# Altium PCB Test.PcbDoc (part 5 of 7)
Units mm, origin at the board's own origin, x right, y up, seen from the top; angles counter-clockwise.
Board outline 127 x 60.96 mm, 8 copper layers (TOP, LY2 - GND, LY3 - SIG, LY4 - GND, LY5 - SIG, LY6 - SIG, LY7 - GND, BOTTOM), stack 1.458 mm thick; 279 components, 237 nets, 1232 pads, 1515 vias.
Unrouted connection lines stored in the file: 100.
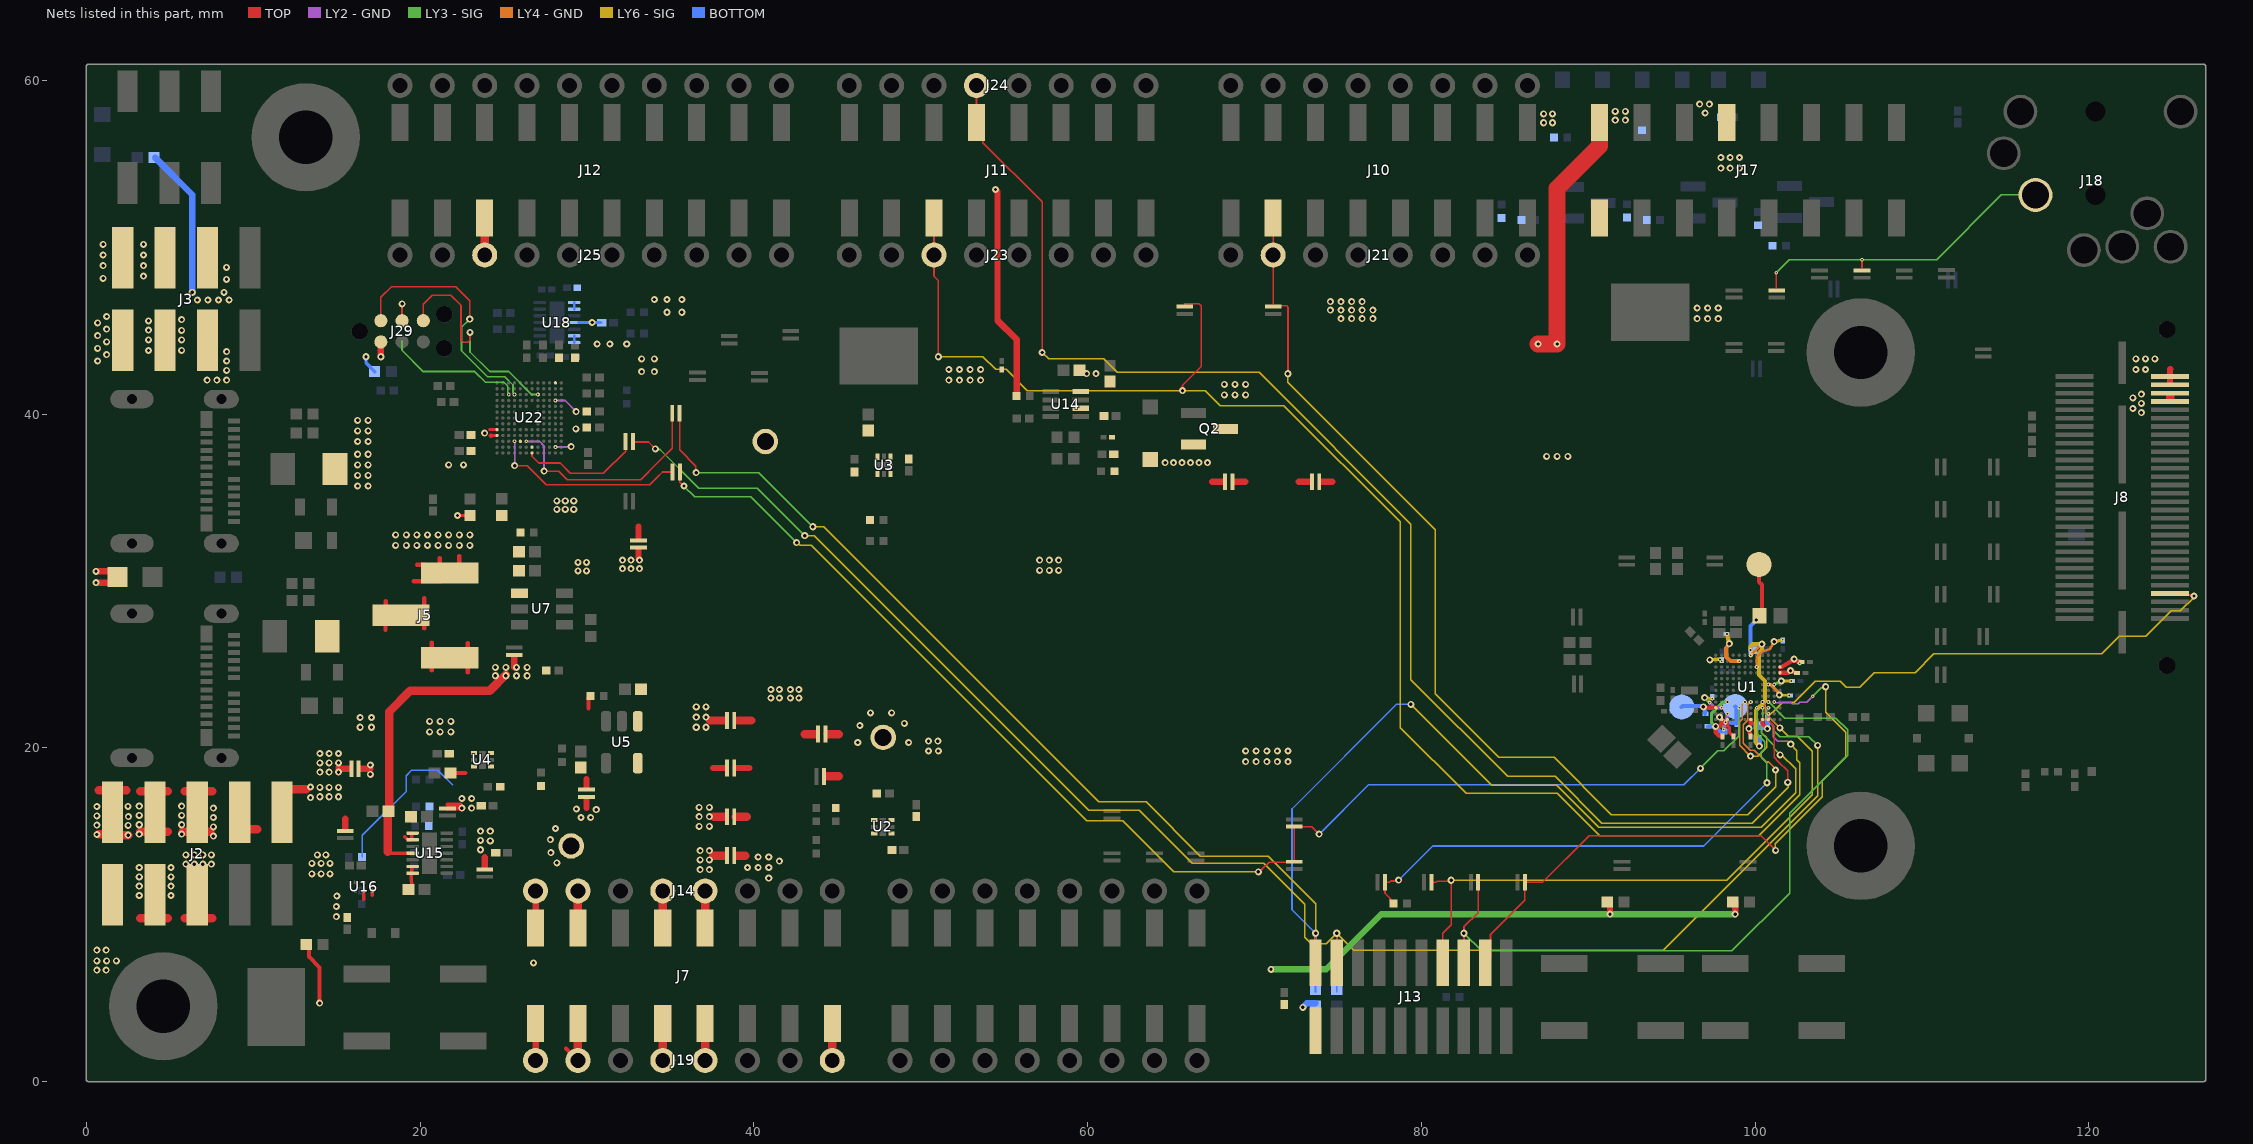
[diagram p11: the nets of this part, all layers, seen from the top]

## Via types
v1: diameter 0.422, hole 0.203, TOP to BOTTOM, tented both sides, 1327 vias
v2: diameter 0.17/0.203/0.229 (per signal layer), hole 0.102, TOP to LY3 - SIG, tented both sides, 58 vias
v3: diameter 0.17/0.229 (per signal layer), hole 0.102, TOP to LY2 - GND, tented both sides, 56 vias
v4: diameter 0.17/0.229/0.229/0.254 (per signal layer), hole 0.102, TOP to LY4 - GND, tented both sides, 35 vias
v5: diameter 0.422/0.422/0.422/0.422 (per signal layer), hole 0.203, LY3 - SIG to LY6 - SIG, tented both sides, 18 vias
v6: diameter 0.229/0.17 (per signal layer), hole 0.102, LY7 - GND to BOTTOM, tented both sides, 11 vias
v7: diameter 0.229/0.203/0.17 (per signal layer), hole 0.102, LY6 - SIG to BOTTOM, tented both sides, 10 vias

## Nets (pads, with @x,y where several pads share a name; then routed paths per layer and width w, separated by ;. In a path a pad name is that pad's centre, name@x,y a point inside that pad or via, vN(x,y) a via of type N, cw(c..) or ccw(c..) an arc to the next point about the centre after c; other vN are vias at no path point) (continued)
SWCLK_OB: J29.4 U22.K3 | length 9.8
  TOP w0.102: J29.4@18.923,45.593 v1(18.923,46.609)
  LY3 - SIG w0.102: 18.923,44.379 18.923,43.815 20.193,42.545 23.282,42.545 23.925,41.903 25.026,41.903 25.248,41.681 25.248,41.259 25.312,41.195 v2(25.312,41.168) ; 18.923,46.182 v1(18.923,46.609)
SWDCK_TX01_GP20: J13.4 R39.2 SB78.2 U1.K3 | length 102
  TOP w0.102: SB78.2@32.757,38.354 32.788,38.324 33.69,38.324 v1(34.101,37.913) ; J13.4@74.93,7.112 v1(74.93,8.89)
  LY3 - SIG w0.089: v2(100.793,22.397) 100.686,22.29 100.686,21.717 101.117,21.285 101.117,21.031 101.473,20.676 103.216,20.676 v1(103.74,20.151)
  LY3 - SIG w0.102: v1(34.101,37.913) 34.136,37.877 34.188,37.877 34.376,37.877 36.693,35.56 40.208,35.56 v1(43.053,32.715)
  LY6 - SIG w0.089: v1(43.053,32.715) 43.625,32.715 60.084,16.256 63.106,16.256 66.28,13.082 70.559,13.082 73.025,10.616 73.025,8.636 73.406,8.255 74.295,8.255 v1(74.93,8.89) 75.946,7.874 94.488,7.874 103.74,17.127 v1(103.74,20.151)
  BOTTOM w0.102: R39.2@74.93,5.372 v1(74.93,8.89)
SWDIO_OB: J29.2 U22.J3 | length 15.1
  TOP w0.102: J29.2@17.653,45.593 17.653,46.99 18.288,47.625 22.138,47.625 22.979,46.784 v1(22.979,45.684)
  LY3 - SIG w0.102: v1(22.979,45.684) 22.479,45.184 22.479,43.806 24.042,42.243 25.067,42.243 25.569,41.741 25.569,41.278 25.662,41.185 v2(25.662,41.168)
SWDIO_TX23_GP21: J13.2 R37.1 SB79.2 U1.J3 | length 109.8
  TOP w0.089: SB79.2@35.551,40.056 35.551,37.857 36.535,36.874 36.535,36.495 v1(36.545,36.485)
  TOP w0.102: J13.2@73.66,7.112 v1(73.66,8.89)
  LY3 - SIG w0.089: v1(36.545,36.485) 40.299,36.485 v1(43.536,33.249) ; v2(100.443,22.397) 100.442,22.265 100.442,21.447 100.355,21.361 100.355,20.904 101.117,20.142 101.117,19.966 v1(101.498,19.585)
  LY6 - SIG w0.089: v1(43.536,33.249) 44.196,33.249 60.681,16.764 63.5,16.764 66.753,13.511 70.817,13.511 73.66,10.668 v1(73.66,8.89) ; v1(79.375,22.606) 84.212,17.768 88.111,17.768 90.639,15.24 100.354,15.24 102.42,17.306 102.42,18.742 101.578,19.585 v1(101.498,19.585)
  BOTTOM w0.102: v1(43.536,33.249) v1@43.536,33.426 ; R37.1@73.66,5.372 v1(73.66,8.89) 72.244,10.306 72.244,16.338 78.512,22.606 v1(79.375,22.606)
SWO_OB: J29.6 U22.E3 | length 13.2
  TOP w0.102: J29.6@20.193,45.593 20.193,46.581 20.729,47.117 21.844,47.117 22.45,46.511 22.45,44.428 22.581,44.298 22.851,44.298 22.992,44.438 v1(22.992,44.901)
  LY3 - SIG w0.102: v1(22.992,44.901) 22.992,43.723 24.169,42.546 25.323,42.546 26.702,41.168 v2(27.062,41.168)
SWO_VCO_IS20CK_DSPTDO_GP28: SB40.2 SB58.1 SB77.2 U1.E3 | length 80.3
  TOP w0.089: SB77.2@35.577,36.525 35.577,35.924 v1(35.814,35.687) ; 70.451,12.712 70.884,13.146 72.362,13.146 SB40.2@72.39,13.174
  TOP w0.102: v1(70.231,12.573) 70.311,12.573 70.451,12.712 ; 72.39,13.292 SB58.1@72.39,15.274 73.431,15.274 v1(73.88,14.825)
  LY3 - SIG w0.089: v1(35.814,35.687) 36.449,35.052 39.813,35.052 v1(42.568,32.297) ; v1(96.723,18.771) 97.765,19.812 98.12,19.812 99.009,20.701 99.009,22.363 v2(99.043,22.397)
  LY6 - SIG w0.089: v1(42.568,32.297) 42.62,32.297 42.786,32.131 43.434,32.131 59.944,15.621 62.109,15.621 65.157,12.573 v1(70.231,12.573)
  BOTTOM w0.102: v1(73.88,14.825) 76.835,17.78 95.733,17.78 v1(96.723,18.771)
TCK/SWCLK: SB78.1 U22.F13 | length 7.4
  TOP w0.102: U22.F13@26.712,37.668 26.712,37.469 27.117,37.063 28.394,37.063 29.009,36.449 30.988,36.449 32.317,37.778 SB78.1@32.317,38.354
TDI: U22.F12
TDO/SWO: SB77.1 U22.J11 | length 11.7
  TOP w0.102: v1(25.672,36.908) 26.417,36.908 27.561,35.764 33.769,35.764 34.188,36.183 34.53,36.525 SB77.1@35.137,36.525
  LY2 - GND w0.102: v1(25.672,36.908) v3@25.672,38.357
  other v3: 25.662,38.368
TIP: J18.2 SB62.2 SB71.2 | length 18.9
  TOP w0.102: 101.27,47.549 v2(101.27,48.463) ; 106.401,48.743 v2(106.401,49.251)
  LY3 - SIG w0.089: v2(101.27,48.463) 102.057,49.251 v2(106.401,49.251) 110.872,49.251 114.748,53.127 J18.2@116.797,53.127
TMS/SWDIO: SB79.1 U22.G11 | length 13.5
  TOP w0.102: v1(27.434,36.577) 28.32,36.577 28.829,36.068 33.219,36.068 34.188,37.038 35.111,37.961 SB79.1@35.111,40.056
  LY2 - GND w0.102: v3(26.362,38.368) 26.373,38.356 27.168,38.356 27.423,38.101 27.423,36.589 v1(27.434,36.577)
TRC0_SSDA_SMOSI_TX23_VCO_GP1: J13.14 SB43.1 U1.J4 | length 37.2
  TOP w0.102: SB43.1@80.611,11.938 80.881,11.938 80.947,12.004 81.727,12.004 v1(81.788,12.065) 81.788,9.398 81.28,8.89 J13.14@81.28,7.115
  LY4 - GND w0.076: v4(100.443,22.747) 100.609,22.555 100.609,22.073 v1(101.486,21.196)
  LY6 - SIG w0.089: v1(81.788,12.065) 98.298,12.065 103.43,17.197 103.43,19.784 102.513,20.701 101.981,20.701 v1(101.486,21.196)
TRC1_SMISO_TRIG1_RX01_VCO_GP2: J13.16 SB44.1 U1.K4 | length 43.2
  TOP w0.102: J13.16@82.55,7.115 v1(82.55,8.89) 82.55,9.271 83.405,10.126 SB44.1@83.405,11.938
  LY3 - SIG w0.089: v1(82.55,8.89) 83.611,7.829 98.607,7.829 102.069,11.291 102.069,16.09 105.537,19.558 105.537,21.082 104.834,21.785 101.786,21.785 100.824,22.747 v2(100.793,22.747)
TRC2_SCEn_SWO_RX23_GP3: J13.18 SB45.1 U1.L4 | length 38
  TOP w0.102: J13.18@83.82,7.112 84.138,7.429 84.138,8.809 86.199,10.87 SB45.1@86.199,11.938 87.256,11.938 90.05,14.732 100.354,14.732 v1(101.228,13.858)
  LY2 - GND w0.076: v3(101.143,22.747) 101.181,22.709 101.359,22.708 102.159,22.708 102.235,22.631 102.59,22.631 102.676,22.717 103.082,22.717 v2(103.454,23.089)
  LY3 - SIG w0.089: v2(103.454,23.089) 103.963,23.597 104.163,23.597 v5(104.226,23.661)
  LY6 - SIG w0.089: v1(101.228,13.858) 101.219,13.867 101.219,14.263 104.013,17.057 104.013,18.034 105.435,19.456 105.435,20.93 104.226,22.139 v5(104.226,23.661)
TRCLK_SSCL_SSCK_TX01_VCO_GP0: R40.1 SB42.1 U1.H3 | length 31.8
  TOP w0.102: R40.1@78.338,10.668 78.155,10.851 78.155,10.948 77.817,11.286 SB42.1@77.817,11.938 78.087,11.938 78.164,12.015 78.58,12.015 v1(78.641,12.076)
  LY3 - SIG w0.089: v2(100.093,22.397) 100.097,21.772 100.152,21.717 100.152,20.802 100.585,20.369 100.585,19.94 100.381,19.736 100.381,19.431 100.69,19.121 100.69,17.928 v1(100.711,17.907)
  BOTTOM w0.102: v1(78.641,12.076) 80.684,14.119 96.923,14.119 v1(100.711,17.907)
TRIG0_VCO_I2S0DAT_CTS1_DSPTRSTN_I2S0DOUT_GP29: J8.54 U1.F4 | length 37.3
  TOP w0.102: J8.54@124.861,29.246 124.947,29.16 126.237,29.16 v1(126.298,29.099)
  LY4 - GND w0.076: v4(99.393,22.747) 99.238,22.592 99.238,21.717 99.085,21.565 99.085,20.142 v1(99.72,19.507)
  LY6 - SIG w0.089: v1(99.72,19.507) 100.152,19.507 100.686,20.041 100.686,20.6 100.406,20.879 100.406,21.007 100.405,21.008 100.405,21.283 100.406,21.284 100.406,21.488 101.651,22.733 102.337,22.733 103.608,24.004 105.096,24.004 105.156,23.945 105.461,23.639 106.262,23.639 107.134,24.511 109.601,24.511 110.713,25.623 120.756,25.623 121.822,26.689 123.414,26.689 124.926,28.202 125.469,28.202 126.298,29.031 v1(126.298,29.099)
TRIG1_VCO_I2S0WS_TX0_DSPTDI_GP30: J10.13 J21.7 SB37.1 U1.G4 | length 63.1
  TOP w0.102: 71.12,46.584 J21.7@71.12,49.53 J10.13@71.12,51.752 ; SB37.1@71.377,46.485 71.93,46.485 72.009,46.406 72.009,42.431 v1(71.995,42.417)
  LY4 - GND w0.076: v4(99.743,22.747) 99.568,22.572 99.568,21.666 99.289,21.387 99.289,20.269 99.695,19.863 99.949,19.863 100.658,19.154 100.764,19.154
  LY4 - GND w0.102: 100.764,19.154 100.81,19.154 101.219,18.745 v1(101.219,18.669)
  LY6 - SIG w0.089: v1(71.995,42.417) 71.995,41.896 80.819,33.072 80.819,23.246 84.633,19.431 87.955,19.431 91.385,16.001 99.567,16.001 101.242,17.676 101.242,18.646 v1(101.219,18.669)
TRST: U22.H11
TXEN: J11.10 J24.5 U1.K1 | length 84.9
  TOP w0.089: U1.K1@100.793,21.697 101.142,21.22 101.142,19.435 101.399,19.178 ; 101.399,19.178 101.954,18.623 v1(101.954,17.936)
  TOP w0.102: J24.5@53.34,59.69 J11.10@53.34,57.468 53.725,57.083 53.725,56.265 57.277,52.712 v1(57.277,43.688)
  LY6 - SIG w0.089: v1(57.277,43.688) 57.658,43.307 60.96,43.307 61.765,42.503 70.283,42.503 79.375,33.411 79.375,24.076 85.163,18.288 88.025,18.288 90.819,15.494 99.829,15.494 101.98,17.644 101.98,17.911 v1(101.954,17.936)
VBUS_5V: C36.1 C37.1 J5.2 R18.2 R19.1 U7.1 | length 2
  TOP w0.254: 17.932,27.058 J5.2@17.932,27.566 ; J5.2@17.947,28.279 17.947,28.787 ; 20.246,27.157 J5.2@20.246,27.665 ; J5.2@20.246,28.461 20.246,28.969
VBUS_AP4: FB2.2 J5.3 | length 2
  TOP w0.254: 20.701,24.638 J5.3@20.701,25.146 ; J5.3@20.701,25.799 20.701,26.307 ; 22.86,24.511 J5.3@22.86,25.019 ; J5.3@22.86,25.781 22.86,26.289
VBUS_JLINK: FB1.2 J5.1 | length 4.7
  TOP w0.254: 19.628,29.982 21.282,29.982 J5.1@21.78,30.48 21.844,30.48 22.352,30.988 22.352,31.496 ; 19.812,30.965 J5.1@20.32,30.965 ; J5.1@21.182,30.861 21.182,31.369
  other v1: 18.542,32.131 19.177,32.131 19.812,32.131 20.447,32.131 21.082,32.131 21.717,32.131 22.352,32.131 22.987,32.131 18.542,32.766 19.177,32.766 19.812,32.766 20.447,32.766 21.082,32.766 21.717,32.766 22.352,32.766 22.987,32.766 16.256,35.687 16.891,35.687 16.256,36.322 16.891,36.322 16.256,36.957 16.891,36.957 16.256,37.592 16.891,37.592 16.256,38.354 16.891,38.354 16.256,38.989 16.891,38.989 16.256,39.624 16.891,39.624
VCO_GP91: J11.11 J23.6 SB39.1 U1.K2 | length 92.8
  TOP w0.102: J11.11@50.8,51.752 J23.6@50.8,49.53 50.8,48.26 51.054,48.006 v1(51.054,43.434) ; v1@65.684,41.402 65.684,41.732 66.802,42.85 66.802,46.482 66.675,46.609 65.811,46.609 65.786,46.584
  LY2 - GND w0.076: v3(100.793,22.047) 100.793,21.627 101.091,21.329 101.091,20.651 101.346,20.396 101.956,20.396 v1(102.133,20.218)
  LY6 - SIG w0.089: v1(51.054,43.434) 53.721,43.434 54.483,42.672 55.118,42.672 56.388,41.402 65.684,41.402 67.056,41.402 67.945,40.513 71.755,40.513 78.726,33.542 78.726,22.875 78.726,22.337 78.726,21.425 78.74,21.411 78.74,21.209 82.677,17.272 88.138,17.272 90.678,14.732 100.203,14.732 102.668,17.197 102.668,19.1 102.489,19.279 102.489,19.836 v1(102.133,20.218)
  other v1: 65.686,41.4
VDD18: C17.1 J2.10 SB9.2 U1.H10 | length 4.9
  TOP w0.381: SB9.2@15.519,15.129 15.519,15.761
  TOP w0.508: J2.10@11.544,17.508 13.195,17.508
  LY4 - GND w0.152: v4(100.093,24.847) 100.093,25.417 100.453,25.777 100.876,25.908 v5(101.143,26.365)
  LY6 - SIG w0.203: v5(101.143,26.365) v7(101.651,26.479)
  other v1: 13.437,17.018 13.995,17.069 14.554,17.069 15.113,17.069 13.995,17.628 14.554,17.628 15.113,17.628 13.437,17.653 41.021,22.987 41.529,22.987 42.189,22.987 42.697,22.987 41.021,23.495 41.529,23.495 42.189,23.495 42.697,23.495
VDD18LN_TPS: C34.1 SB16.1 U5.5 | length 0.5
  TOP w0.381: 29.972,17.628 29.972,18.122
VDD_0.9V: C33.1 C75.1 C88.1 R11.2 TP4.TP U4.1 U15.6 U15.7 U18.6 U18.7 | length 1.8
  TOP w0.203: C75.1@19.494,11.506 19.469,12.461 19.499,12.491 U15.6@19.499,12.89
  BOTTOM w0.152: U18.7@29.228,44.285 U18.6@29.228,44.685
  other v1: 28.194,13.106 27.838,13.716 27.813,14.503 28.118,15.164 30.607,44.196 31.369,44.196 32.385,44.196
VDD_1.8V: C31.1 C79.1 J3.1 R9.2 SB3.1 SB4.2 SB75.1 TP2.TP U2.1 U16.A2 U16.B2 | length 2.7
  TOP w0.203: 16.637,10.922 U16.B2@16.637,11.434 ; 17.137,11.177 U16.A2@17.137,11.434
  TOP w0.381: v1@33.091,31.297 SB75.1@33.091,31.894
  TOP w0.508: 44.425,18.288 45.085,18.288 ; 44.425,20.828 45.085,20.828
  other v1: 14.986,9.881 14.986,10.49 15.011,11.125 46.228,20.32 49.276,20.32 16.408,21.234 17.094,21.234 46.355,21.336 49.022,21.463 16.408,21.819 17.094,21.819 46.99,22.098 48.26,22.098 32.131,30.734 32.639,30.734 33.147,30.734 32.131,31.242 32.639,31.242 33.147,31.242 0.686,43.18 1.219,43.561 0.686,43.942 1.219,44.323 0.686,44.704 1.219,45.085 0.686,45.466 1.219,45.847
VDD_3.3V: C32.1 C35.1 C40.1 C41.1 C74.1 C87.1 D2.2 J3.5 R2.2 R10.2 R34.2 R35.2 R36.2 TP3.TP U3.1 U4.3 U4.4 U4.6 U5.1 U15.1 U15.2 U18.1 U18.2 | length 5.4
  TOP w0.203: 19.074,14.676 19.257,14.492 19.498,14.492 19.499,14.491 U15.1@19.499,14.89
  TOP w0.254: C40.1@21.846,18.488 22.708,18.488 ; 30.099,22.372 30.099,23.008 R2.2@30.205,23.114
  TOP w0.381: v1(0.582,29.897) D2.2@1.822,29.897 ; v1@0.584,30.575 D2.2@1.805,30.575
  BOTTOM w0.152: U18.2@29.228,46.285 U18.1@29.228,46.685
  other v1: 20.574,20.955 21.209,20.955 21.844,20.955 20.574,21.59 21.209,21.59 21.844,21.59 0.582,30.575 7.239,42.037 7.823,42.037 8.407,42.037 8.407,42.621 8.407,43.18 8.407,43.739 34.798,46.101 35.687,46.101 34.036,46.863 34.798,46.863 35.687,46.863 87.325,57.456 87.859,57.456 91.618,57.607 92.227,57.607 87.325,57.988 87.859,57.988 97.003,58.039 91.618,58.141 92.227,58.141 96.672,58.572 97.257,58.572
VDD_5V: C28.1 C29.1 C30.1 C38.1 C39.1 C47.1 C61.1 C62.1 C63.1 C78.1 J3.6 J7.9 J7.10 J8.06 J8.08 J14.5 J17.16 J19.5 Q2.3 R49.2 R79.2 SB17.2 U2.3 U2.4 U2.6 U3.3 U3.4 U3.6 U14.8 U15.4 U18.4 | length 49.7
  TOP w0.203: 18.071,13.773 18.153,13.691 U15.4@19.499,13.691 ; v1(22.244,33.921) 22.981,33.921 R79.2@22.987,33.915
  TOP w0.381: v1@25.654,24.828 25.654,25.426
  TOP w0.508: 18.071,13.773 18.071,15.865 18.072,15.866 18.072,16.142 18.136,16.205 18.161,16.18 18.161,22.174 19.406,23.419 24.181,23.419 v1@25.146,24.384 ; J19.5@37.084,1.27 J7.10@37.084,3.492 ; J7.9@37.084,9.207 J14.5@37.084,11.43 ; J8.08@124.861,40.888 J8.06@124.861,41.119
  TOP w1.016: v1(86.995,44.196) v1(88.138,44.196) 88.138,53.521 90.675,56.059 90.675,57.465 J17.16@90.678,57.468
  BOTTOM w0.203: U18.4@29.501,45.485 C47.1@30.845,45.485
  BOTTOM w0.381: R49.2@4.115,55.372 6.35,53.137 v1(6.35,47.295)
  other v1: 24.511,24.319 25.146,24.319 25.781,24.319 26.416,24.319 24.511,24.827 25.146,24.827 25.781,24.827 26.416,24.827 123.139,40.081 122.631,40.335 123.139,40.64 122.631,40.97 68.199,41.148 68.834,41.148 69.469,41.148 123.139,41.199 68.199,41.783 68.834,41.783 69.469,41.783 51.689,42.037 52.324,42.037 52.959,42.037 53.594,42.037 59.944,42.418 60.503,42.418 51.689,42.672 52.324,42.672 52.959,42.672 53.594,42.672 30.31,45.487 6.655,46.838 7.29,46.838 7.925,46.838 8.56,46.838 8.255,47.295 8.402,48.067 8.402,48.791
VDD_DBG: C60.1 J13.1 R5.2 R6.2 R37.2 SB47.2 SB48.1 | length 32.9
  TOP w0.381: 68.791,35.941 69.456,35.941 ; 72.657,35.941 73.322,35.941 ; v1(91.3,10.033) R5.2@91.3,10.77 ; v1(98.806,10.033) 98.806,10.757 R6.2@98.819,10.77
  LY3 - SIG w0.381: v1(70.993,6.731) 74.295,6.731 77.597,10.033 v1(91.3,10.033) v1(98.806,10.033)
  BOTTOM w0.381: v1(72.898,4.445) 73.139,4.686 R37.2@73.66,4.686
VDD_EXT: J3.3 J7.3 J7.4 J7.7 J7.8 J14.2 J14.4 J17.15 J19.2 J19.4 SB5.1 | length 10.2
  TOP w0.254: 28.748,1.986 J19.2@29.108,1.626
  TOP w0.381: 37.559,18.793 SB5.1@38.321,18.793
  TOP w0.508: J19.2@29.464,1.27 J7.4@29.464,3.492 ; J7.3@29.464,9.207 J14.2@29.464,11.43 ; J19.4@34.544,1.27 J7.8@34.544,3.492 ; J7.7@34.544,9.207 J14.4@34.544,11.43
  other v1: 29.464,30.607 29.972,30.607 29.464,31.115 29.972,31.115 87.503,37.465 88.138,37.465 88.773,37.465 3.728,43.811 5.71,43.818 3.728,44.446 5.71,44.442 5.71,45.02 3.728,45.03 3.728,45.589 5.71,45.657
VDD_JLINK: C80.1 C81.1 C82.1 C83.1 C84.1 C86.1 J29.1 R71.2 SB75.2 U22.B1 U22.B4 U22.B12 U22.M9 U22.M10 | length 5.9
  TOP w0.102: 24.155,39.065 24.158,39.068
  TOP w0.178: 24.158,39.068 U22.M9@24.612,39.068 ; 24.256,38.723 U22.M10@24.612,38.723
  TOP w0.254: 24.236,38.703 24.256,38.723
  TOP w0.381: v1(17.653,43.434) J29.1@17.653,44.323 ; 33.091,32.654 33.091,33.252
  LY2 - GND w0.102: v3@28.112,40.818 28.682,40.818 v1(29.353,40.147) ; v3@28.116,38.022 28.124,38.03 29.041,38.03 v1(29.053,38.043)
  BOTTOM w0.102: R71.2@17.278,42.545 R71.2@17.278,42.547
  BOTTOM w0.203: v1(16.764,43.434) 16.764,43.061 R71.2@17.278,42.547
  other v1: 28.194,34.29 28.702,34.29 29.21,34.29 28.194,34.798 28.702,34.798 29.21,34.798 21.717,36.957 22.606,36.957 23.876,38.862 29.337,39.116 33.274,42.545 34.036,42.545 33.274,43.307 34.036,43.307
  other v3: 28.112,38.018 28.11,40.816
VDD_MCU: C12.1 C13.1 C14.1 C16.1 J2.1 J3.2 J3.4 J7.1 J7.2 J8.02 J8.04 J12.15 J14.1 J19.1 J25.8 R7.2 R44.1 SB3.2 SB5.2 SB6.1 SB7.1 SB8.1 SB15.2 SB48.2 U1.B1 U1.C4 U1.M10 | length 35.7
  TOP w0.254: R7.2@13.341,8.219 13.341,7.487 13.983,6.845 v1(13.983,4.699) ; 16.986,18.638 16.986,18.447 v1(17.018,18.415) ; U1.B1@97.993,21.697 97.993,21.425 97.853,21.285 v1(97.638,21.283) 97.638,20.93 97.853,20.714 C13.1@98.044,20.714 ; U1.M10@101.493,24.847 101.58,24.847 102.198,25.197 102.679,25.197 C14.1@102.73,25.146
  TOP w0.381: 16.448,18.746 17.023,18.746 ; J19.1@26.924,1.27 J7.2@26.924,3.492 ; J7.1@26.924,9.207 J14.1@26.924,11.43 ; SB5.2@38.903,18.796 39.717,18.796 ; v1(54.479,53.456) 54.479,53.445 54.606,53.318 54.606,45.61 55.749,44.466 R44.1@55.749,41.107 ; 73.998,35.941 74.663,35.941 ; J8.04@124.861,41.859 124.861,42.694 124.865,42.697
  TOP w0.508: J25.8@23.876,49.53 J12.15@23.876,51.752 ; SB8.1@38.925,15.875 39.59,15.875 ; 38.993,13.542 39.491,13.542 ; 39.029,21.638 39.834,21.638 ; 43.053,20.828 43.713,20.828
  LY3 - SIG w0.203: v1(97.638,21.283) 97.384,21.539 97.384,22.047 98.084,22.747 v2(98.343,22.747)
  LY3 - SIG w0.254: v5(102.337,25.324) v2(102.667,25.07)
  BOTTOM w0.254: C16.1@97.193,21.285 v1(97.638,21.283) 97.904,20.942 C12.1@98.222,20.942
  other v1: 0.635,6.68 1.194,6.68 26.797,7.112 0.635,7.239 1.219,7.239 1.803,7.239 0.635,7.874 1.194,7.874 40.894,12.192 39.624,12.827 40.259,12.827 40.894,12.827 41.529,13.208 40.259,13.462 40.894,13.462 17.018,18.974 69.469,19.177 70.104,19.177 70.739,19.177 71.374,19.177 72.009,19.177 69.469,19.812 70.104,19.812 70.739,19.812 71.374,19.812 72.009,19.812 122.809,42.672 123.393,42.672 122.809,43.307 123.393,43.307 123.952,43.307 75.184,45.72 75.819,45.72 76.454,45.72 77.089,45.72 96.52,45.72 97.155,45.72 97.79,45.72 74.549,46.228 75.184,46.228 75.819,46.228 76.454,46.228 77.089,46.228 96.52,46.355 97.155,46.355 97.79,46.355 74.549,46.736 75.184,46.736 75.819,46.736 76.454,46.736 1.016,48.133 3.429,48.26 1.016,48.895 3.429,48.895 1.016,49.53 3.429,49.53 1.016,50.165 3.429,50.165
VDD_MCU_TRACK: C64.2 C66.1 C67.1 D7.2 Q2.2 R46.2 R52.2 R53.2 R56.2 R62.2 R63.2 R64.2 R65.2 R66.2 R67.2 SB47.1 U14.6 | length 9.9
  TOP w0.381: 67.472,35.944 SB47.1@68.137,35.944
  BOTTOM w0.102: R56.2@16.531,13.462 16.531,14.753 19.165,17.387 19.165,18.334 19.487,18.656 21.069,18.656 21.946,17.78
  other v1: 50.47,19.812 51.054,19.812 50.47,20.396 51.029,20.396 64.643,37.084 65.151,37.084 65.659,37.084 66.167,37.084 66.675,37.084 67.183,37.084
VDDAUDA: C18.1 J2.8 J17.10 SB15.1 SB16.2 U1.B11 | length 3.3
  TOP w0.254: 15.056,18.814 v1@15.125,18.745
  TOP w0.381: v1@15.125,18.745 SB15.1@15.804,18.745 ; 29.972,16.413 29.972,16.934
  TOP w0.508: J2.8@8.826,15.113 10.235,15.113
  LY6 - SIG w0.203: v5(97.282,25.273) 97.587,25.298 v7(97.892,25.298)
  other v1: 29.642,15.824 30.226,15.824 30.557,16.296 29.366,16.334 13.995,18.542 14.554,18.542 15.113,18.542 13.995,19.101 14.554,19.101 15.113,19.101 13.995,19.66 14.554,19.66 15.113,19.66 97.942,54.737 98.501,54.737 99.06,54.737 97.942,55.372 98.501,55.372 99.06,55.372
  other v2: 97.993,25.197
VDDAUDD: C19.1 J2.6 SB8.2 U1.E11 | length 6.3
  TOP w0.508: v1@5.779,14.986 7.429,14.986 ; 5.905,17.399 7.556,17.399 ; 37.606,15.876 SB8.2@38.271,15.876
  LY4 - GND w0.254: v5(98.45,26.238) 98.273,25.984 98.273,25.451 98.526,25.197 v4(99.043,25.197)
  LY6 - SIG w0.254: v7(98.311,26.822) v5(98.45,26.238)
  other v1: 7.62,14.707 5.715,14.834 7.62,15.265 36.728,15.291 37.338,15.291 5.715,15.392 7.62,15.824 36.728,15.875 37.338,15.875 5.715,15.951 7.62,16.383 36.728,16.434 37.338,16.434 5.715,16.51
VDDB: C27.1 J2.2 SB7.2 U1.G1 | length 6.5
  TOP w0.254: C27.1@99.72,20.714 v1(99.619,21.145) 99.743,21.46 U1.G1@99.743,21.697
  TOP w0.508: v1@0.74,14.818 1.571,14.818 1.616,14.773 v1(2.51,14.773) ; 0.759,17.468 2.41,17.468 ; J2.2@1.194,17.399 1.575,17.018 J2.2@1.575,16.205 ; 37.56,13.534 38.225,13.534
  other v1: 36.779,12.7 37.338,12.7 36.779,13.284 37.338,13.284 36.779,13.843 37.338,13.843 0.635,14.808 0.635,15.367 2.514,15.36 2.519,15.879 0.635,15.926 0.635,16.485 2.5,16.499
VDDBH: C6.1 L2.2 R4.2 TP1.TP U1.G12 | length 14.2
  TOP w0.254: TP1.TP@100.228,30.988 100.228,29.947 100.406,29.769 100.406,28.082 L2.2@100.239,27.915
  LY4 - GND w0.178: v4(99.743,25.547) 100.231,26.035 v5(100.406,26.213)
  LY6 - SIG w0.254: v7(99.72,25.857) 99.72,26.086 99.847,26.213 v5(100.406,26.213) 100.406,25.883 100.228,25.705 100.228,24.359 100.584,24.003 100.584,22.784 100.051,22.25 100.051,20.306 v1(100.254,20.103)
  BOTTOM w0.254: v7(99.72,25.857) 99.72,27.305 v1(100.076,27.661)
  BOTTOM w0.305: R4.2@100.152,20.527 100.231,20.448 100.231,20.125 v1(100.254,20.103)
VDDBH_RF: C20.1 R4.1 U1.J1 | length 1.9
  TOP w0.254: U1.J1@100.443,21.697 100.443,21.439 100.614,21.268 v1(100.736,21.145)
  BOTTOM w0.305: R4.1@100.152,21.222 100.66,21.222 v1(100.736,21.145) C20.1@100.736,21.78
VDDC: C24.1 TP9.TP U1.A3 | length 2.5
  TOP w0.254: v1(96.901,22.454) 96.958,22.397 U1.A3@97.643,22.397
  BOTTOM w0.254: TP9.TP@95.606,22.454 95.656,22.504 96.85,22.504 v1(96.901,22.454) 96.99,22.365 C24.1@96.99,22.047
VDDC_LV: C42.1 U1.B3 | length 1.7
  LY2 - GND w0.203: v2(97.282,22.708) 97.593,22.397 v3(97.993,22.397)
  LY3 - SIG w0.203: v5(96.977,23.012) v2(97.282,22.708)
  LY6 - SIG w0.203: v5(96.977,23.012) v7(97.434,22.949)
VDDF: C12.2 C25.1 TP8.TP U1.C2 | length 3.9
  LY2 - GND w0.178: v2(98.12,21.107) 98.196,21.234 v3(98.343,22.047)
  LY3 - SIG w0.203: v5(97.866,21.844) 98.133,21.141 98.133,21.136 v2(98.12,21.107)
  LY6 - SIG w0.203: v5(97.866,21.844) v7(98.222,21.526)
  BOTTOM w0.254: v7(98.222,21.526) 98.882,21.476 98.882,22.403 TP8.TP@98.806,22.479
VDDH2: C15.1 J2.3 J7.16 J19.8 SB6.2 U1.M9 | length 5.8
  TOP w0.254: SB6.2@38.309,21.647 SB6.2@38.318,21.638 ; U1.M9@101.493,24.497 U1.M9@101.493,24.497 101.991,24.496 v1(102.118,24.623) 102.128,24.613 C15.1@102.476,24.486
  TOP w0.508: 3.238,9.779 4.889,9.779 ; 37.382,21.638 38.187,21.638 ; J19.8@44.704,1.27 J7.16@44.704,3.492
  other v1: 3.175,11.151 5.08,11.151 3.175,11.709 5.08,11.709 3.175,12.268 5.08,12.268 3.175,12.827 5.08,12.827 36.551,21.234 37.135,21.234 36.551,21.844 37.135,21.844 36.551,22.454 37.135,22.454 57.125,30.632 57.709,30.632 58.268,30.632 57.125,31.242 57.709,31.242 58.268,31.242
VDDS: C26.1 U1.C1 | length 1.2
  TOP w0.152: U1.C1@98.343,21.684 U1.C1@98.343,21.697
  TOP w0.203: U1.C1@98.339,21.693 98.339,21.336 98.446,21.229 98.446,20.93 98.592,20.784 98.635,20.784 C26.1@98.704,20.714
VDDUSB0P9: C21.1 C77.1 J2.4 SB11.2 U1.L7 | length 6.3
  TOP w0.381: 23.876,12.883 23.876,13.449
  TOP w0.508: v1@3.238,14.986 4.889,14.986 ; 3.238,17.399 4.889,17.399 ; J2.4@3.734,17.399 4.115,17.018 J2.4@4.115,16.205
  LY3 - SIG w0.203: v2(101.143,23.797) v5(101.575,24.003)
  LY6 - SIG w0.203: v5(101.575,24.003) v7(102.171,24.003)
  other v1: 23.622,13.894 24.206,14.427 23.622,14.453 3.175,14.834 23.622,15.011 24.206,15.011 3.175,15.392 3.175,15.951 3.175,16.51
VDDUSB33: C22.1 C76.1 J2.5 SB13.2 U1.K7 | length 4.7
  TOP w0.254: SB13.2@21.641,16.345 21.641,16.368 21.654,16.381 v1@22.378,16.381 ; 21.651,16.608 22.413,16.608
  TOP w0.508: 5.905,9.779 7.556,9.779
  LY4 - GND w0.203: v4(100.793,23.797) 100.917,23.797 101.305,23.409 v5(101.448,23.165)
  LY6 - SIG w0.203: v5(101.448,23.165) v7(102.044,23.139)
  other v1: 13.513,12.446 14.072,12.446 14.605,12.446 5.969,13.03 6.477,13.03 6.985,13.03 7.493,13.03 13.513,13.081 14.072,13.081 14.605,13.081 5.969,13.589 6.477,13.589 6.985,13.589 7.493,13.589 13.843,13.589 14.351,13.589 22.504,16.383 23.089,16.383 22.504,16.967 23.089,16.967
pads on no net: J4.A2 J4.A3 J4.A8 J4.A10 J4.A11 J4.B2 J4.B3 J4.B8 J4.B10 J4.B11 J6.A2 J6.A3 J6.A8 J6.A10 J6.A11 J6.B2 J6.B3 J6.B8 J6.B10 J6.B11 J7.13 J7.15 J8. J8.12 J8.14 J10.2 J10.8 J10.9 J10.16 J11.9 J11.13 J11.15 J13.7 J13.8 J14.7 J14.8 J18. J18.5 J18.6 J21.5 J22.1 J22.4 J22.8 J23.5 J23.7 J23.8 J29. SS1.1 SS2.1 SS3.1 SS4.1 SW4.1 SW4.4 U1.K8 U5.4 U7.4 U22.A1 U22.A2 U22.A5 U22.A7 U22.A8 U22.A9 U22.A10 U22.A11 U22.A12 U22.B6 U22.B7 U22.B8 U22.B9 U22.B10 U22.B11 U22.C3 U22.C4 U22.C5 U22.C6 U22.C7 U22.C8 U22.C9 U22.C10 U22.C11 U22.C12 U22.C13 U22.D1 U22.D3 U22.D4 U22.D5 U22.D6 U22.D7 U22.D8 U22.D9 U22.D10 U22.D11 U22.D12 U22.D13 U22.E1 U22.E2 U22.E4 U22.E5 U22.E6 U22.E7 U22.E8 U22.E9 U22.E10 U22.E11 U22.F1 U22.F2 U22.F3 U22.F4 U22.F9 U22.F10 U22.F11 U22.G1 U22.G2 U22.G3 U22.G4 U22.G5 U22.G9 U22.G10 U22.G13 U22.H1 U22.H2 U22.H3 U22.H4 U22.H5 U22.H9 U22.H10 U22.H12 U22.H13 U22.J1 U22.J2 U22.J4 U22.J5 U22.J6 U22.J7 U22.J8 U22.J9 U22.J12 U22.J13 U22.K1 U22.K2 U22.K4 U22.K5 U22.K8 U22.K9 U22.K10 U22.K11 U22.K12 U22.K13 U22.L1 U22.L4 U22.L6 U22.L9 U22.L10 U22.L11 U22.L12 U22.L13 U22.M1 U22.M2 U22.M3 U22.M13

## Polygon pours and split planes (outlines as drawn)
VDDUSB33 on LY3 - SIG "LY3 - SIG-VDDUSB33" (solid, pour order 53): 14.161,14.097 5.842,14.097 5.588,13.843 5.588,10.922 5.842,10.668 13.993,10.668 14.866,11.541 14.866,13.392 14.161,14.097
VDD_EXT on LY3 - SIG "LY3 - SIG-VDD_EXT" (solid, pour order 73): 23 vertices, not listed, extent 3.556,28.702 31.115,46.228
VDD_MCU_TRACK on LY3 - SIG "LY3 - SIG-VDD_MCU_TRACK" (solid, pour order 76): 50.165,19.177 50.165,23.012 54.8,27.648 54.8,27.699 64.258,37.156 64.291,37.156 64.968,37.833 67.439,37.833 68.088,37.184 68.088,29.059 63.286,24.257 58.206,19.177 51.689,19.177 50.165,19.177
VDDB on LY3 - SIG "LY3 - SIG-VDDB" (solid, pour order 78): 18 vertices, not listed, extent 0.381,5.715 38.723,17.272
GND on LY3 - SIG "LY3 - SIG-GND" (solid, remove dead copper, pour order 85): 24 vertices, not listed, extent 92.329,32.388 124.079,56.617
VDD_1.8V on LY3 - SIG "LY3 - SIG-VDD_1.8V" (solid, pour order 92): 27 vertices, not listed, extent 0.381,17.861 49.911,46.355
VDD_3.3V on LY3 - SIG "LY3 - SIG-AT_3.3V" (solid, pour order 93): 39.268,38.913 40.259,39.904 40.259,44.45 54.142,58.333 88.29,58.235 88.29,55.626 61.824,55.626 43.119,36.922 39.92,36.922 39.268,37.573
VDDAUDA on LY3 - SIG "LY3 - SIG-VDDAUDA" (solid, pour order 94): 63 vertices, not listed, extent 12.827,12.453 99.695,56.007
VDD_1.8V on TOP "TOP-VDD_1.8V 3" (solid, pour order 1): 14.732,11.48 14.584,11.333 14.584,11.312 14.584,9.647 14.757,9.474 16.459,9.474 17.526,10.541 17.526,11.232 16.324,11.232 16.255,11.162 15.527,11.162 15.209,11.48
VDD_MCU on TOP "TOP-GND 1" (solid, pour order 5): 17.399,19.685 16.891,19.685 16.796,19.59 16.796,17.875 16.891,17.78 17.399,17.78 17.526,17.907 17.526,19.558
VDDUSB33 on TOP "TOP-VDDUSB33 2" (solid, pour order 6): 22.275,16.079 22.352,16.002 23.793,16.002 23.928,16.137 23.928,17.003 23.735,17.196 22.275,17.196
VDDAUDA on TOP "TOP-VDDAUDA 1" (solid, pour order 7): 30.734,15.621 29.845,15.621 29.21,15.621 29.083,15.748 29.083,16.567 30.861,16.567 30.861,15.748
VDD18LN_TPS on TOP "TOP-VDD18LN_TPS" (solid, pour order 9): 18 vertices, not listed, extent 28.858,17.367 34.163,19.714
VDD_5V on TOP "TOP-VDD_5V 5" (solid, pour order 11): 125.545,40.582 123.386,40.582 123.317,40.513 123.317,39.751 123.19,39.624 122.555,39.624 122.428,39.751 122.428,41.275 122.555,41.402 125.603,41.402 125.73,41.275 125.73,40.767
VDD_1.8V on TOP "TOP-VDD_1.8V 1" (solid, pour order 12): 31.674,31.472 31.674,30.378 33.477,30.378 33.782,30.683 33.782,31.472
NetSB11_1 on TOP "TOP-N1086467" (solid, pour order 14): 22.837,12.469 22.837,11.811 21.203,11.811 21.203,13.044 22.262,13.044
VDDAUDD on TOP "TOP-VDDAUDD" (solid, pour order 15): 36.576,16.891 37.892,16.891 37.892,14.859 36.449,14.859 36.322,14.986 36.322,16.637
VDD_5V on TOP "TOP-VDD_5V 1" (solid, pour order 16): 61.846,41.148 60.731,41.148 58.801,41.148 58.801,42.963 59.261,43.423 60.717,43.423 62.039,42.101 62.039,41.341
VDDH2 on TOP "TOP-VDDH2" (solid, pour order 17): 36.425,22.733 37.795,22.733 37.795,20.912 36.362,20.912 36.253,21.022 36.253,22.56
VDDB on TOP "TOP-VDDB" (solid, pour order 18): 36.765,14.286 37.858,14.286 37.858,12.283 36.322,12.283 36.322,13.843
VDD_5V on TOP "TOP-VDD_5V" (solid, pour order 20): 24.077,24.945 24.194,25.062 25.992,25.062 26.552,25.629 27.485,25.629 27.819,25.294 27.819,24.164 27.531,23.876 24.462,23.876 24.077,24.262
VDDUSB0P9 on TOP "TOP-VDDUSB0P9 1" (solid, pour order 24): 23.114,15.494 22.606,14.986 22.606,13.259 24.793,13.259 24.793,15.494
VDD_MCU on TOP "TOP-VDDA" (solid, pour order 26): 126.111,41.511 122.827,41.511 122.428,41.91 122.428,43.688 122.682,43.942 125.349,43.942 126.111,43.18
VDD_JLINK on TOP "TOP-AT_VDDIO" (solid, pour order 27): 27.843,33.117 27.843,34.896 28.095,35.148 29.876,35.148 31.013,34.011 33.503,34.011 33.655,33.858 33.655,33.147 33.444,32.936 32.809,32.936 32.512,32.639 28.321,32.639
VDDB on TOP "TOP-VDDB 1" (solid, pour order 28): 0.508,17.78 2.54,17.78 2.667,17.653 2.667,14.605 2.413,14.351 0.508,14.351 0.508,17.78
VDDUSB0P9 on TOP "TOP-VDDUSB0P9" (solid, pour order 29): 2.921,14.503 2.921,16.917 2.921,17.653 3.048,17.78 5.08,17.78 5.207,17.653 5.207,16.916 5.207,14.63 4.953,14.376 3.048,14.376 2.921,14.503
VDDAUDD on TOP "TOP-VDDAUDD 1" (solid, pour order 30): 7.874,17.043 7.874,14.757 7.62,14.503 5.715,14.503 5.588,14.63 5.461,14.758 5.461,17.653 5.588,17.78 7.62,17.78 7.874,17.526 7.874,17.043
VDDUSB33 on TOP "TOP-VDDUSB33 1" (solid, pour order 31): 5.842,13.843 7.493,13.843 7.62,13.843 7.747,13.716 7.747,13.589 7.747,12.954 7.747,12.09 7.747,9.804 7.493,9.55 5.842,9.55 5.588,9.804 5.588,13.589 5.842,13.843
VDDH2 on TOP "TOP-VDDH2 2" (solid, pour order 32): 2.921,9.677 2.921,12.091 2.921,12.954 2.921,13.716 3.048,13.843 5.08,13.843 5.207,13.716 5.334,13.589 5.334,9.779 5.105,9.55 4.953,9.55 3.048,9.55 2.921,9.677
VDD_EXT on TOP "TOP-VDD_EXT 1" (solid, pour order 33): 3.476,46.355 3.476,41.808 5.996,41.808 5.996,46.355
VDD_1.8V on TOP "TOP-VDD_1.8V" (solid, pour order 34): 0.508,46.609 2.921,46.609 3.048,46.482 3.048,42.418 2.794,42.164 0.508,42.164 0.508,46.609
VDD_3.3V on TOP "TOP-VDD_3.3V 2" (solid, pour order 35): 6.3,46.355 6.3,41.783 8.763,41.783 8.763,46.355
VDDAUDA on TOP "TOP-VDDAUDA" (solid, pour order 36): 98.146,58.928 99.201,58.928 99.829,58.3 99.829,56.293 99.589,56.053 99.589,55.372 99.589,54.633 99.311,54.356 97.79,54.356 97.282,54.864 97.438,57.883
VDD_5V on TOP "TOP-VDD_5V 2" (solid, pour order 37): 70.104,38.354 67.687,38.354 67.458,38.583 67.458,41.677 68.135,42.355 70.358,42.355 71.025,41.688 71.025,39.275
VDD_5V on TOP "TOP-VDD_5V 4" (solid, pour order 38): 6.477,51.562 6.096,51.181 6.096,46.634 8.763,46.634 8.763,51.562 6.477,51.562
VDD_MCU on TOP "TOP-VDDA 5" (solid, pour order 39): 26.314,10.185 28.067,10.185 28.067,5.08 28.067,0.847 25.829,0.847 25.513,1.162 25.513,9.384
VDD_MCU on TOP "TOP-VDDA 3" (solid, pour order 40): 0.508,13.081 2.508,13.081 2.667,12.922 2.667,7.112 2.032,6.35 0.508,6.35
VDD18 on TOP "TOP-VDD18" (solid, pour order 41): 16.129,17.399 16.129,15.871 15.863,15.605 15.204,15.605 14.51,14.911 13.768,14.911 12.7,13.843 10.905,13.843 10.905,17.636 11.279,18.01 15.518,18.01
GND on TOP "TOP-GND 5" (solid, pour order 43): 12.344,12.7 8.585,12.7 8.585,7.874 8.966,7.493 11.963,7.493 12.344,7.874 12.344,12.7
VBUS_AP4 on TOP "TOP-VBUS_AP4" (solid, pour order 44): 15.95,25.325 13.518,25.325 13.081,25.762 13.081,27.686 13.589,28.194 15.748,28.194 17.399,26.543 22.86,26.543 23.368,26.035 23.368,24.384 23.114,24.13 17.145,24.13
VDD_MCU on TOP "TOP-VDDA 1" (solid, pour order 45): 0.508,47.549 0.508,51.943 5.175,51.943 5.683,51.435 5.683,47.549
NetFB2_1 on TOP "TOP-N553022 1" (solid, pour order 46): 21 vertices, not listed, extent 9.455,21.488 13.799,28.067
NetFB1_1 on TOP "TOP-N554596" (solid, pour order 48): 23 vertices, not listed, extent 6.985,33.503 13.589,39.141
VDDAUDA on TOP "TOP-VDDAUDA 2" (solid, pour order 49): 15.365,18.288 15.365,20.449 15.262,20.552 10.897,20.552 8.585,18.241 8.585,14.478 10.541,14.478 10.541,17.907 10.922,18.288
VBUS_5V on TOP "TOP-VBUS_5V" (solid, pour order 50): 24.003,33.802 24.394,34.194 25.496,34.194 26.213,33.477 26.213,28.707 25.552,28.707 25.552,28.473 24.003,26.924 17.653,26.924 17.272,27.305 17.272,28.575 18.034,29.337 23.622,29.337 24.003,29.718
VDD_1.8V on TOP "TOP-VDD_1.8V 2" (solid, pour order 54): 17 vertices, not listed, extent 44.221,15.481 49.784,22.733
VDD_EXT on TOP "TOP-VDD_EXT" (solid, pour order 55): 89.517,53.55 89.027,53.059 89.027,43.688 88.392,43.053 88.392,39.497 86.868,37.973 86.868,37.211 87.249,36.83 88.9,36.83 90.932,38.862 90.932,49.403 91.567,50.038 91.567,52.949 90.967,53.55
GND on TOP "TOP-GND 4" (solid, pour order 56): 13.462,42.672 12.954,42.164 9.195,42.164 9.195,51.816 12.827,51.816 13.462,51.181 13.462,42.672
VBUS_JLINK on TOP "TOP-VBUS_JLINK" (solid, pour order 57): 13.976,37.973 14.732,38.729 15.907,39.903 17.103,39.903 17.272,39.735 17.272,35.597 16.854,35.179 14.224,35.179 13.716,35.687 13.716,37.713
VDD_3.3V on TOP "TOP-VDD_3.3V 1" (solid, pour order 58): 54 vertices, not listed, extent 18.771,14.25 34.163,24.511
VDD_0.9V on TOP "TOP-VDD_0.9V" (solid, pour order 59): 42 vertices, not listed, extent 18.415,9.855 30.353,19.114
VDD_3.3V on TOP "TOP-VDD_3.3V" (solid, pour order 60): 24 vertices, not listed, extent 38.608,32.85 47.568,40.386
VDD_DBG on TOP "TOP-VDD_DBG" (solid, pour order 61): 27 vertices, not listed, extent 65.786,1.277 74.152,36.615
VDD_MCU on TOP "TOP-VDDA 2" (solid, pour order 62): 39.419,22.074 39.951,22.606 42.799,22.606 43.349,22.098 43.349,19.092 42.672,18.415 42.672,13.208 41.148,11.684 39.751,11.684 39.419,12.016
GND on TOP "TOP-GND 3" (solid, pour order 64): 21 vertices, not listed, extent 87.122,22.606 98.552,35.179
GND on TOP "TOP-GND" (solid, pour order 65): 24 vertices, not listed, extent 101.346,17.17 120.591,23.368
VDDH2 on TOP "TOP-VDDH2 1" (solid, pour order 67): 19 vertices, not listed, extent 43.815,0.508 59.182,32.004
VDD_MCU on TOP "TOP-VDDA 4" (solid, pour order 69): 73.914,36.957 74.422,36.449 74.422,35.306 73.914,34.798 73.914,26.289 69.088,21.463 69.088,19.05 69.596,18.542 71.974,18.542 77.724,24.292 77.724,46.023 76.757,46.99 74.295,46.99 73.914,46.609
VDD_EXT on TOP "TOP-VDD_EXT 2" (solid, pour order 71): 28 vertices, not listed, extent 28.448,0.508 37.82,31.877
VDD_MCU_TRACK on TOP "TOP-VDD_MCU_TRACK" (solid, pour order 72): 24 vertices, not listed, extent 59.275,34.798 67.631,40.584
VDD_5V on TOP "TOP-VDD_5V 3" (solid, pour order 81): 79 vertices, not listed, extent 36.195,0.508 55.042,43.053
NetC43_1 on TOP "NONET_L-01_P-001" (solid, remove dead copper, pour order 104): 15.524,13.462 15.271,13.715 15.271,14.103 17.139,14.103 17.399,13.843 17.399,12.876 17.437,12.839 17.437,12.484 17.272,12.319 16.382,12.319 16.134,12.567 16.134,13.24 15.911,13.462
VDD_JLINK on TOP "NONET_L-01_P-001" (solid, remove dead copper, pour order 107): 17 vertices, not listed, extent 21.156,36.537 24.773,39.21
VDD_JLINK on TOP "NONET_L-01_P-001" (solid, remove dead copper, pour order 108): 21 vertices, not listed, extent 27.975,41.762 34.417,43.64
GND on TOP "NONET_L-01_P-001" (solid, remove dead copper, pour order 109): 19 vertices, not listed, extent 29.857,37.418 33.02,42.731
VDD_JLINK on TOP "NONET_L-01_P-001" (solid, remove dead copper, pour order 110): 29.188,40.491 28.98,40.282 28.98,40.107 29.249,39.838 29.249,39.536 28.776,39.063 28.776,37.947 28.877,37.846 29.251,37.846 30.322,38.917 30.322,40.425 30.256,40.491
VBUS_JLINK on TOP "NONET_L-01_P-001" (solid, remove dead copper, pour order 126): 23.56,29.474 23.876,29.79 23.876,33.02 23.495,33.401 18.643,33.401 18.019,32.777 18.019,30.211 18.756,29.474
GND on TOP "NONET_L-01_P-001" (solid, remove dead copper, pour order 128): 24 vertices, not listed, extent 24.13,43.761 29.972,49.807
VDD_MCU on LY6 - SIG "LY6 - SIG-VDDA" (solid, pour order 63): 17 vertices, not listed, extent 95.885,25.096 102.514,46.545
VDDAUDD on LY6 - SIG "LY6 - SIG-VDDAUDD" (solid, pour order 75): 19 vertices, not listed, extent 5.461,2.845 46.253,17.8
VDD_3.3V on LY6 - SIG "LY6 - SIG-VDD_3.3V" (solid, pour order 84): 28.499,44.653 35.382,44.653 36.066,45.337 36.068,47.244 35.941,47.371 16.764,47.371 13.319,43.926 7.777,43.926 7.007,43.156 7.007,41.063 7.368,40.701 24.547,40.701
VDD_MCU on LY6 - SIG "LY6 - SIG-VDDA 1" (solid, pour order 87): 22 vertices, not listed, extent 0.381,6.35 18.034,51.562
VDD_0.9V on LY6 - SIG "NONET_L-01_P-001" (solid, remove dead copper, pour order 133): 34.798,15.85 38.227,19.279 38.227,40.363 34.02,44.57 29.117,44.57 24.801,40.254 24.801,15.814 28.092,12.522 31.471,12.522
VDD_3.3V on BOTTOM "BOTTOM-AT_3.3V" (solid, pour order 3): 97.95,58.801 98.335,58.421 98.335,57.059 96.418,57.059 96.418,58.801
VDD_3.3V on BOTTOM "BOTTOM-AT_3.3V 1" (solid, pour order 10): 86.919,58.293 88.24,58.293 88.24,55.993 88.073,55.826 87.202,55.826 86.893,56.134 86.893,58.268
VDD_3.3V on BOTTOM "BOTTOM-AT_3.3V 3" (solid, pour order 13): 93.853,55.807 94.237,56.191 94.253,56.191 94.253,57.277 92.634,57.277 92.634,58.522 91.288,58.522 91.288,56.871 92.351,55.807
VDD_1.8V on BOTTOM "BOTTOM-VDD_1.8V" (solid, pour order 47): 15.24,11.352 14.005,11.352 12.954,12.402 12.954,19.05 14.832,20.928 17.424,20.928 17.424,22.047 17.399,22.073 12.929,22.073 10.414,19.558 10.414,11.811 12.675,9.55 15.24,9.55
VDD_MCU_TRACK on BOTTOM "BOTTOM-VDD_MCU_TRACK" (solid, pour order 70): 23.213,19.51 48.898,19.51 50.165,20.777 51.689,20.777 51.714,20.752 51.714,18.898 46.914,14.097 29.972,14.097 28.671,15.398 22.053,15.398 21.321,14.667 20.244,14.667 20.244,16.541
VDD_EXT on BOTTOM "BOTTOM-VDD_EXT" (solid, pour order 77): 29.376,31.638 28.925,31.187 28.925,29.739 31.614,27.049 81.007,27.049 89.22,35.263 89.465,35.508 89.465,37.667 89.151,37.981 88.868,38.264 86.922,38.264 78.284,29.625 32.551,29.625 30.538,31.638
VDD_MCU_TRACK on BOTTOM "NONET_L-01_P-001" (solid, remove dead copper, pour order 99): 27 vertices, not listed, extent 63.693,34.387 101.371,52.146
GND on BOTTOM "NONET_L-01_P-001" (solid, remove dead copper, pour order 100): 25 vertices, not listed, extent 93.853,19.489 108.261,32.385
OB_VDDUSB0P9 on BOTTOM "NONET_L-01_P-001" (solid, remove dead copper, pour order 111): 18 vertices, not listed, extent 22.288,40.259 27.753,44.985
OB_VDDUSB33 on BOTTOM "NONET_L-01_P-001" (solid, remove dead copper, pour order 112): 22 vertices, not listed, extent 21.717,41.334 27.67,48.037
GND on BOTTOM "NONET_L-01_P-001" (solid, remove dead copper, pour order 113): 38 vertices, not listed, extent 25.212,38.881 32.94,50.659
VDD_0.9V on BOTTOM "NONET_L-01_P-001" (solid, remove dead copper, pour order 114): 28.892,44.867 29.958,44.867 30.157,44.667 30.817,44.667 30.994,44.491 32.601,44.491 33.02,44.072 33.02,43.639 32.013,42.631 29.467,42.631 29.092,43.006 29.092,43.916 28.836,44.171 28.836,44.81
VDD_3.3V on BOTTOM "NONET_L-01_P-001" (solid, remove dead copper, pour order 115): 27 vertices, not listed, extent 28.764,36.576 41.884,48.387
VBUS_JLINK on BOTTOM "NONET_L-01_P-001" (solid, remove dead copper, pour order 125): 17.462,38.672 17.462,39.582 17.141,39.903 16.034,39.903 15.788,39.657 15.788,35.647 18.243,33.192 18.243,32.076 18.442,31.877 23.139,31.877 23.318,32.056 23.318,32.816
VDD_JLINK on BOTTOM "NONET_L-01_P-001" (solid, remove dead copper, pour order 127): 39 vertices, not listed, extent 14.986,33.862 35.423,43.942
VDD_MCU on BOTTOM "NONET_L-01_P-001" (solid, remove dead copper, pour order 131): 27.94,0.432 27.94,7.696 27.508,8.128 13.538,8.128 11.074,10.592 1.168,10.592 0.438,9.862 0.438,1.437 1.495,0.381 27.864,0.381
VDD18 on BOTTOM "NONET_L-01_P-001" (solid, remove dead copper, pour order 132): 22 vertices, not listed, extent 13.056,16.459 43.84,24.028
GND on LY5 - SIG "LY5 - SIG-GND" (solid, pour order 21): 17 vertices, not listed, extent 98.679,24.511 101.727,27.178
VDD_3.3V on LY5 - SIG "LY5 - SIG-AT_3.3V" (solid, pour order 42): 86.995,58.801 86.995,57.099 97.765,57.099 97.765,58.801 86.995,58.801
NetFB2_1 on LY5 - SIG "LY5 - SIG-N553022" (solid, pour order 51): 10.414,21.336 5.969,21.336 5.334,21.971 5.334,25.146 6.477,26.289 12.573,26.289 12.954,25.908 12.954,23.876
NetFB1_1 on LY5 - SIG "LY5 - SIG-N554596" (solid, pour order 52): 7.62,33.68 5.817,33.68 5.207,34.29 5.207,37.973 6.375,39.141 12.573,39.141 12.954,38.76 12.954,33.909 12.573,33.528 7.772,33.528
VDDAUDD on LY5 - SIG "LY5 - SIG-VDDAUDD" (solid, pour order 79): 97.409,23.876 67.867,23.876 58.342,14.351 45.339,14.351 36.576,14.351 36.195,14.732 36.195,17.018 38.347,19.17 51.33,19.17 58.83,26.67 98.298,26.67 98.679,26.416 98.679,25.146
VDD18 on LY5 - SIG "LY5 - SIG-VDD18" (solid, pour order 80): 45.339,28.575 40.73,23.966 40.73,22.897 40.894,22.733 54.178,22.733 58.369,26.924 98.298,26.924 98.806,27.432 99.314,27.432 100.584,26.162 101.219,26.162 101.727,26.416 101.727,27.559 98.933,30.099 46.863,30.099
VDD_MCU on LY5 - SIG "LY5 - SIG-VDDA" (solid, pour order 82): 19 vertices, not listed, extent 39.37,9.271 97.917,23.622
VDDB on LY5 - SIG "LY5 - SIG-VDDB" (solid, pour order 86): 23 vertices, not listed, extent 34.671,3.878 100.203,21.59
VDDUSB33 on LY5 - SIG "LY5 - SIG-VDDUSB33" (solid, pour order 88): 36 vertices, not listed, extent 13.081,12.192 112.649,40.64
VDDH2 on LY5 - SIG "LY5 - SIG-VDDH2" (solid, pour order 89): 30 vertices, not listed, extent 2.921,4.699 105.283,34.036
VDDUSB0P9 on LY5 - SIG "LY5 - SIG-VDDUSB0P9" (solid, pour order 90): 42 vertices, not listed, extent 2.794,8.128 108.966,37.338
VDD_MCU on LY5 - SIG "LY5 - SIG-VDDA 1" (solid, pour order 91): 26 vertices, not listed, extent 0.508,41.783 125.984,60.325
VDD_5V on LY5 - SIG "LY5 - SIG-VDD_5V" (solid, pour order 95): 40 vertices, not listed, extent 5.715,23.876 124.079,49.276
VDD_3.3V on LY5 - SIG "LY5 - SIG-VDD_3.3V" (solid, remove dead copper, pour order 134): 25 vertices, not listed, extent 0.497,20.447 24.384,45.288
GND on LY4 - GND "LY4 - GND-GND" (solid, pour order 98): 0.382,0.382 0.382,60.578 126.618,60.578 126.618,0.382 0.382,0.382
GND on LY7 - GND "LY7 - GND-GND" (solid, pour order 97): 0.382,0.382 0.382,60.578 126.618,60.578 126.618,0.382 0.382,0.382
GND on LY2 - GND "LY2 - GND-GND" (solid, pour order 96): 0.382,0.382 0.382,60.578 126.618,60.578 126.618,0.382 0.382,0.382

## Keep-outs
LY3 - SIG:
  region: 120.449,2.776 127.053,2.776 127.053,22.842 120.449,22.842 120.449,2.776
LY4 - GND:
  region: 120.449,2.776 127.053,2.776 127.053,22.842 120.449,22.842 120.449,2.776
LY5 - SIG:
  region: 120.449,2.776 127.053,2.776 127.053,22.842 120.449,22.842 120.449,2.776
LY6 - SIG:
  region: 120.449,2.776 127.053,2.776 127.053,22.842 120.449,22.842 120.449,2.776
LY7 - GND:
  region: 120.449,2.776 127.053,2.776 127.053,22.842 120.449,22.842 120.449,2.776
BOTTOM:
  region: 120.449,2.776 127.053,2.776 127.053,22.842 120.449,22.842 120.449,2.776